# Altium PCB Copy of KaRadioWired.PcbDoc (part 2 of 3)
Units mm, origin at the board's own origin, x right, y up, seen from the top; angles counter-clockwise.
Board outline 90 x 70 mm, 4 copper layers (Top Layer, Signal Layer 1, Signal Layer 2, Bottom Layer), stack 1.49 mm thick; 271 components, 157 nets, 818 pads, 370 vias.
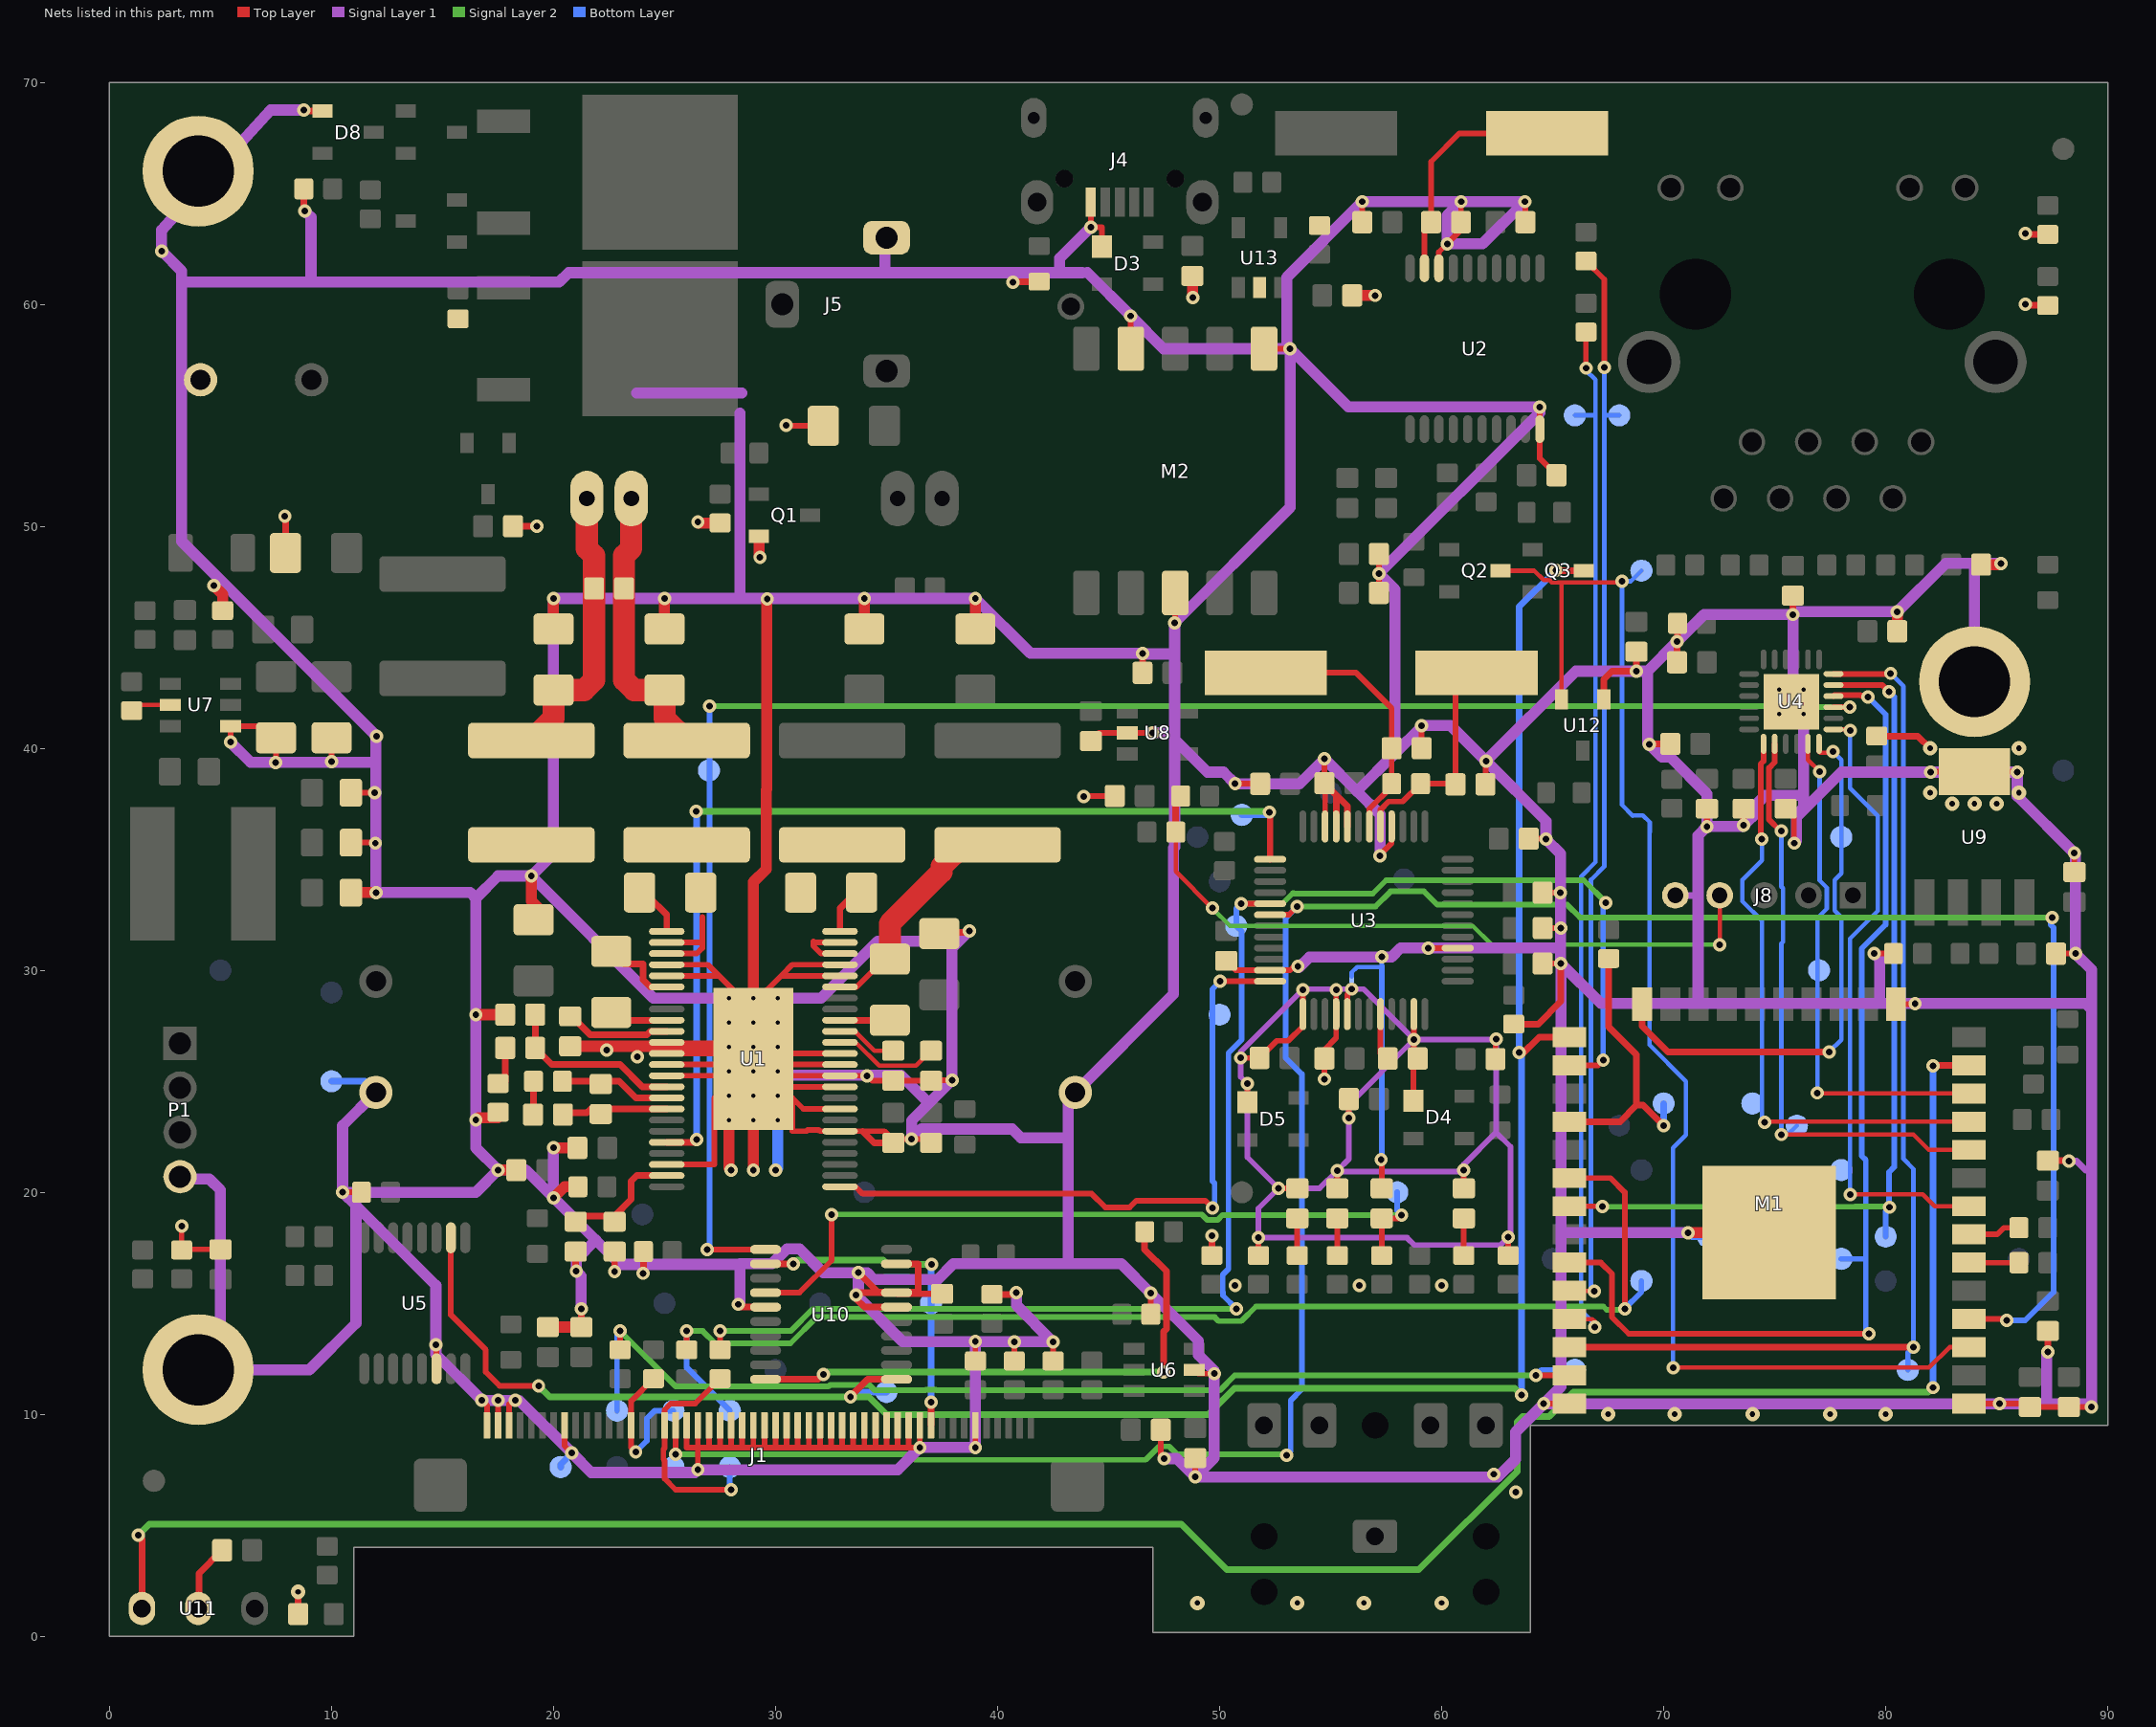
[diagram p4: the nets of this part, all layers, seen from the top]

## Part data
1: "Split Net Name 0.2mm"
C1 C2: library part "470uF 25V 10mm 12.5mm", "Aluminum Capacitor 470uF 25V TH 10mm 12.5mm", Manufacturer="United Chemi-Con", PartNumber=EKZN250ELL471MJC5S, Tolerance=20%, Voltage=25V, RefSupplier1=661-EKZN250E471MJC5S, Supplier1=Mouser
C3 C4 C5 C6 C7 C8 C32 C33 C34 C35 C65 C71 C72: Case=1206, Tolerance=10%, Voltage=50V, Supplier1=Digikey, Supplier2=Mouser, Supplier3=Farnell
  C3 C6 C7 C8: Material=X7R, RefSupplier1=478-1542-1-ND
  C4 C5 C65: Material=X5R, RefSupplier1=587-2994-1-ND
  C32 C33 C34 C35: Material=C0G, RefSupplier1=1276-2849-1-ND
  C71 C72: Material=X5R, RefSupplier1=1276-6736-1-ND
C9 C12 C17 C20 C31 C36 C40 C42 C43 C45 C46 C47 C49 C50 C51 C53 C54 C55 C57 C58 C59 C76 C80 C86: Case=0603, Tolerance=10%, Voltage=25V, Material=X5R, RefSupplier1=587-1245-1-ND, Supplier1=Digikey, Supplier2=Mouser, Supplier3=Farnell
C10 C11 C19 C22 C37 C41 C64: Case=0603, Tolerance=10%, Voltage=10V, Material=X5R, Supplier1=Digikey, Supplier2=Mouser, Supplier3=Farnell
  C10 C11 C19: RefSupplier1=1276-6684-1-ND
  C22 C37 C41 C64: RefSupplier1=1276-1085-1-ND
C13 C14 C15 C16 C21 C23 C24 C25 C26 C27 C28 C29 C38 C61 C66 C73 C81 C82 C83 C84 C85 C87 C89: Case=0603, Tolerance=10%, Voltage=50V, Supplier1=Digikey, Supplier2=Mouser, Supplier3=Farnell
  C13 C16 C61 C83 C84 C85 C87 C89: Material=X7R, RefSupplier1=490-12741-1-ND
  C14 C15 C24 C25: Material=X7R, RefSupplier1=1276-1063-1-ND
  C21 C81 C82: Material=X7R, RefSupplier1=1276-6530-1-ND
  C23 C28 C29 C38: Material=NP0, RefSupplier1=490-1415-1-ND
  C26 C27 C66: Material=NP0, RefSupplier1=490-9666-1-ND
  C73: Material=NP0, RefSupplier1=490-11301-1-ND
C18 C30 C62 C63 C74 C75 C77 C78 C90 C91: Case=0603, Tolerance=10%, Voltage=16V, Material=X7R, RefSupplier1=EMK107B7105KA-T, Supplier1=Digikey, Supplier2=Mouser, Supplier3=Farnell
C39 C44 C48 C52 C56 C60: Case=0603, Tolerance=10%, Voltage=6.3V, Material=X5R, Supplier1=Digikey, Supplier2=Mouser, Supplier3=Farnell
  C39 C44 C56: RefSupplier1=445-8028-2-ND
  C48 C52 C60: RefSupplier1=587-1256-1-ND
C67: library part "100nF 50V 0805 X5R_1", "100nF 50V 0805 X5R", Case=0805, Tolerance=10%, Voltage=50V, Material=X5R, Supplier1=Digikey, Supplier2=Mouser, Supplier3=Farnell
C68 C69 C70: Case=0805, Tolerance=10%, Voltage=10V, Material=X5R, RefSupplier1=490-10511-1-ND, Supplier1=Digikey, Supplier2=Mouser, Supplier3=Farnell
C79: library part "1800uF 25V 12.5mm 20mm", "Aluminum Capacitor 1800uF 25V TH 12.5mm 20mm", Manufacturer="United Chemi-Con", PartNumber=EGXF250ELL182MK20S, Tolerance=20%, Voltage=25V, RefSupplier1=661-EGXF250ELL182MK2, Supplier1=Mouser
C88: Case=1206, Tolerance=10%, Voltage=100V, Material=X7R, RefSupplier2=77-VJ1206Y102JXBAC, Supplier1=Digikey, Supplier2=Mouser, Supplier3=Farnell
D1: "Side Emitting LED Blue", Manufacturer=Kingbtigth, PartNumber=APA1606QBC/D
D3 D4 D5: "Ultra low capacitance double rail-to-rail ESD protection diode", Case=SOT-143-B, Manufacturer=Nexperia, PartNumber=PRTR5V0U2AX,215
D6 D7: "DIODE ZENER 12V 250MW SOT23-3", Case=SOT23, Manufacturer="ON Semi", PartNumber=BZX84C12LT1G, RefSupplier1=BZX84C12LT1GOSCT-ND, Supplier1=Digikey
D8: "DIODE ZENER 22V 250MW SOT23-3", Case=SOT23, Manufacturer="ON Semi", PartNumber=BZX84C22LT1G, RefSupplier1=BZX84C22LT1GOSTR-ND, Supplier1=Digikey
H1 H2 H3: "Fix hole 3mm screw"
J1: "Connector for 240x320 dots 2.4\" color tft lcd module", Manufacturer="Amphenol FCI", PartNumber=62684-501100ALF
J2: library part SJ1-3524NG, "SJ1-3524NG Jack 3.5mm Stereo", Manufacturer=CUI, PartNumber=SJ1-3524NG, RefSupplier1=CP1-3524NG-ND, Supplier1=Digikey
J3: "Modular Jack with Magnetics Shield LEDS  RJLBC-060TC1", Manufacturer=TAIMAG, PartNumber=RJLBC-060TC1
J4: "Micro USB 2.0 SMT Type B Horizontal", Manufacturer="Wurth Elektronik", PartNumber=629105150521
J5: library part "Barrel Connector", "CONN PWR JACK 2X5.5MM SOLDER", Manufacturer=CUI, PartNumber=PJ-102AH, RefSupplier1=CP-102AH-ND, Supplier1=Digikey
J6 J7: Manufacturer=JST, PartNumber="JST B2B-PH-K"
J8: "JST  B5B-PH 2mm Pitch 5pins TH", Manufacturer=JST, PartNumber=B5B-PH-K-S
L1 L2 L3 L4: Case=2424, Manufacturer=Murata, Rated Current=2.4A, PartNumber=1255AY-150M, Supplier1=Digikey, Supplier2=Mouser, Supplier3=Farnell
L5: "SRN6045-100M 10uH 2.5A 6x6x4,5mm", Case=6045, Manufacturer=Bourns, Rated Current=2.5A, PartNumber=SRN6045-100M, Supplier1=Digikey, Supplier2=Mouser, Supplier3=Farnell
L6: "0805, 600 Ohm@100MHz, 2.1A", Manufacturer=Wurth, PartNumber=74279220601, RefSupplier1=732-6126-1-ND, Size=0805, Supplier1=Digikey
L7: "1255AY-4R7M=P3 4.7uH 4A", Case=2424, Manufacturer=Murata, PartNumber=1255AY-4R7M=P3, Rated Current=4A, Supplier1=Digikey, Supplier2=Mouser, Supplier3=Farnell
L8 L9 L10 L11 L12 L13 L14 L15 L16 L17 L18 L19: library part CMP-0220-00178-1, "SMD EMI Suppression Ferrite Bead WE-CBF, Z = 1000 Ohm", Manufacturer=Wurth, ComponentLink1Description="Manufacturer Link", ComponentLink1URL=http://www.we-online.com, ComponentLink2Description=Datasheet, ComponentLink2URL=http://www.we-online.de/katalog/media/pdf/742792662.pdf, DatasheetVersion="ver 1, Mar-2010", Impedance="1000 Ohm", PackageDescription="Chip Inductor, 2-Leads, Body 1.6 x 0.8 mm", PackageReference=SMD-0603, PackageVersion=2009
  L8 L10 L11 L12 L13 L14 L15 L16 L17 L19: PartNumber=742792662
  L9 L18: RefManufacturer=742792662
M1: Manufacturer="Espressif Systems", PartNumber=ESP32_WROOM_32
M2: "FM Receiver 11x11mm TEA5767", PartNumber=MODULE_TEA5767
P1: library part CMP-2000-05165-1, "Male Header, Pitch 2 mm, 1 x 4 Position", Manufacturer=JST, Datasheet URL=http://datasheet.octopart.com/B4B-PH-K-S%28LF%29%28SN%29-JST-datasheet-10558886.pdf, Datasheet Version=Apr-09, Manufacturer URL=http://www.jst.com/home2.html, No of Positions=4, PartNumber=B4B-PH-K-S(LF)(SN), Pitch=2mm, Style/Orientation=StraightHeader/Plug, Termination=Crimp, Type=ShroudedHeader
P2: "0.8mm Hole"
Q1 Q2 Q3: library part BC817_SOT23, "BC817 NPN  45V SOT23", Case=SOT23, Manufacturer=Nexperia, PartNumber=BC817-40,215, RefSupplier1=1727-2919-1-ND, Supplier1=Digikey
Q4 Q5: "MOSFET P-CHANNEL 60V 7A TO252", Manufacturer="Taiwan Semiconductor Corp", PartNumber=TSM7P06CP, RefSupplier1="TSM7P06CP ROGCT-ND", Supplier1=Digikey
Q6: "MOSFET P-CH 60V 170MA SOT-23", Manufacturer=Infineon, PartNumber=BSS84PH6433XTMA1, RefSupplier1=BSS84PH6433XTMA1TR-ND, Supplier1=Digikey
R1 R2 R63 R64: library part 470R, "Resistor 470R 0603 1%", Case=0603, Tolerance=1%, RefSupplier1=311-470HRCT-ND, Size="0603, 1.6x0.8x0.8mm", Supplier1=Digikey
R3 R41: library part 18k, "Resistor 18k 0603 1%", Case=0603, Tolerance=1%, RefSupplier1=311-18.0KHRCT-ND, Size="0603, 1.6x0.8x0.8mm", Supplier1=Digikey
R4 R12 R39 R55 R57: library part 100k, "Resistor 100k 0603 1%", Case=0603, Tolerance=1%, RefSupplier1=311-100KHRCT-ND, Supplier1=Digikey
R5 R9 R10 R23 R26 R27 R33 R35 R36 R43 R44 R45 R46 R50 R51 R52 R56 R58 R59 R60 R61 R62 R65: library part 10k, "Resistor 10k 0603 1%", Case=0603, Tolerance=1%, RefSupplier1=311-10.0KHRCT-ND, Size="0603, 1.6x0.8x0.8mm", Supplier1=Digikey
R6 R31: library part 10R, "Resistor 10R 0603 1%", Case=0603, Tolerance=1%, RefSupplier1=311-10.0HRCT-ND, Size="0603, 1.6x0.8x0.8mm", Supplier1=Digikey
R7 R8: library part 20R, "Resistor 20R 0603 1%", Case=0603, Tolerance=1%, RefSupplier1=311-20.0HRCT-ND, Size="0603, 1.6x0.8x0.8mm", Supplier1=Digikey
R11: library part 1M, "Resistor 1M 0603 1%", Case=0603, Tolerance=1%, RefSupplier1=311-1.00MHRCT-ND, Size="0603, 1.6x0.8x0.8mm", Supplier1=Digikey, Supplier2=Mouser, Supplier3=Farnell
R13 R14 R15 R16: library part 49R9, "Resistor 49R9 0603 1%", Case=0603, Tolerance=1%, RefSupplier1=311-49.9HRCT-ND, Size="0603, 1.6x0.8x0.8mm", Supplier1=Digikey
R17 R42: library part 12k1, "Resistor 12k1 0603 1%", Case=0603, Tolerance=1%, RefSupplier1=311-12.1KHRCT-ND, Size="0603, 1.6x0.8x0.8mm", Supplier1=Digikey
R18 R19 R20 R21 R24 R25 R28 R29 R30 R32: library part 68R, "Resistor 68R 0603 1%", Case=0603, Tolerance=1%, RefSupplier1=311-68.0HRCT-ND, Size="0603, 1.6x0.8x0.8mm", Supplier1=Digikey
R22: library part 11k, "Resistor 11k 0603 1%", Case=0603, Tolerance=1%, RefSupplier1=311-11KGRCT-ND, Size="0603, 1.6x0.8x0.8mm", Supplier1=Digikey
R34 R47 R48 R49 R53: library part 1k, "Resistor 1k 0603 1%", Case=0603, Tolerance=1%, RefSupplier1=311-1.00KHRCT-ND, Size="0603, 1.6x0.8x0.8mm", Supplier1=Digikey, Supplier2=Mouser, Supplier3=Farnell
R37 R38: library part 4k7, "Resistor 4k7 0603 1%", Case=0603, Tolerance=1%, RefSupplier1=311-4.70KHRCT-ND, Size="0603, 1.6x0.8x0.8mm", Supplier1=Digikey
R40: library part 17k8, "Resistor 17k8 0603 1%", Case=0603, Tolerance=1%, RefSupplier1=311-17.8KHRTR-ND, Supplier1=Digikey
R54: "Resistor 0.25R 1206 1%", Case=1206, Tolerance=1%, RefSupplier2=603-PT1206FR-070R25L, Size="1206, 3.2x1.6x0.8mm", Supplier1=Digikey, Supplier2=Mouser, Supplier3=Farnell
TP1 TP2 TP3 TP4 TP5 TP6 TP7 TP8 TP9 TP10 TP11 TP12 TP13 TP14 TP15 TP16 TP17 TP18 TP19 TP20 TP21 TP22 TP23 TP24 TP25 TP26 TP27 TP28 TP29 TP30 TP31 TP32 TP33 TP34 TP35 TP36 TP37 TP38 TP39 TP40 TP41 TP42 TP43 TP44 TP45 TP46 TP47 TP48: "Test point 1mm round SMD"
U1: "TAS5751M - Digital Input Audio Power Amplifier with EQ and 3-Band AGL", Case=TSSOP48, Manufacturer=TI, PartNumber=TAS5751M
U2: "CH340T USB to Serial", Case=TSOP20, Manufacturer=WCH, PartNumber=CH340T
U3: "VS1053 DSP", Case=TQFP48, Manufacturer=VLSI, PartNumber=VS1053b
U4: "LAN8720 RMII 10/100 Ethernet  Transceiver QFN24", Case=QFN24, Manufacturer=Microchip, PartNumber=LAN8720A-CP-ABC, RefSupplier1=LAN8720A-CP-ABC-ND, Supplier1=Digikey
U5: "TSSOP I2C Resistive Touch Controller", Case=TSOP16, Manufacturer=TI, PartNumber=TSC2007IPWR
U6: "TPS730 ADJ 200mA SOT23-6 LDO", Case=SOT23-6, Manufacturer=TI, PartNumber=TPS73001DBV
U7: "4.5V to 28V Input, 2A Output Sync Buck", Case=SOT23-6, Manufacturer=TI, PartNumber=TPS54202DDC
U8: "1.8V LDO 50mA SOT23-5", Case=SOT23-5, Manufacturer=Microchip, PartNumber=TC1014-1.8VCT713
U9: library part LP38692MP-ADJ/NOPB, "REG LIN POS ADJ 1A SOT223-5 LP38692MP-ADJ/NOPB", Case=SOT223-5, Manufacturer=TI, PartNumber=LP38692MP-ADJ/NOPB
U10: "PCF8574TS/3 SSOP20 I2C I/O Expander", Case=SSOP20, Manufacturer=NXP, PartNumber=PCF8574TS/3
U11: "TSOP33436 IR 36kHz Receiver", Manufacturer=Vishay, PartNumber=TSOP33436
U12: "Reset 2.93V open drain sot23 MIC803-29D3VM3-TR", Case=SOT23, Manufacturer=Microchip, PartNumber=MIC803-29D3VM3-TR
U13: "SOT23-5 USB VCC Switch with current Limit", Case=SOT23-5, Manufacturer=Silergy, PartNumber=SY6280A
Y1: "12.2880MHz Crystal HC49 SMT 50ppm", Case=HC49S, Manufacturer="Fox Electronic", PartNumber=FOXSDLF/128-20, Tolerance=50ppm
Y2: library part "HC49SDLF 12.000MHz", "12.0000MHz Crystal HC49 SMT 20ppm", Case=HC49S, Manufacturer=Diodes, PartNumber=GC1200052, Tolerance=20ppm, RefSupplier1=GC1200052CT-ND, Supplier1=Digikey
Z1 Z2 Z3 Z4: "1mm Fiducial"

## Via types
v1: diameter 0.6, hole 0.3, Top Layer to Bottom Layer, tented top, 185 vias
v2: diameter 0.6, hole 0.3, Top Layer to Bottom Layer, tented both sides, 142 vias
v3: diameter 0.5, hole 0.2, Top Layer to Bottom Layer, tented top, 22 vias
v4: diameter 0.65, hole 0.25, Top Layer to Bottom Layer, tented both sides, 21 vias

## Nets (pads, with @x,y where several pads share a name; then routed paths per layer and width w, separated by ;. In a path a pad name is that pad's centre, name@x,y a point inside that pad or via, vN(x,y) a via of type N, cw(c..) or ccw(c..) an arc to the next point about the centre after c; other vN are vias at no path point)
AGND: 1.2 C25.1 C26.1 C27.1 C30.1 C48.1 C49.1 C50.1 C51.1 D4.1 D5.1 R9.2 R10.2 U3.37 U3.40 U3.41 U3.47 | length 83.3
  Top Layer w0.25: U3.40@55.25,28.025 v1(55.25,29.125)
  Top Layer w0.254: v1(50.95,26.05) C49.1@51.8,26.05 52.575,26.825 53.1,26.825 53.75,27.475 U3.37@53.75,28.025 v1(53.75,29.125) ; D5.1@51.25,24.05 v1(51.25,24.9) ; R10.2@51.75,17.15 v1(51.75,17.95) ; v1(52.65,20.175) C26.1@53.5,20.175 ; v1(54.725,25.1) C50.1@54.725,26.025 54.725,26.425 55.25,26.95 U3.40@55.25,28.025 ; C25.1@55.3,20.175 v1(55.3,20.975) ; U3.41@55.75,28.025 55.75,28.9 55.975,29.125 56,29.125 55.972,29.153 v1(55.955,29.153) ; v1(55.825,23.35) C51.1@55.825,24.2 ; C30.1@58.65,26.2 58.75,26.3 v1(58.75,26.875) U3.47@58.75,28.025 ; D4.1@58.725,24.125 58.725,25.825 C30.1@58.925,26.025 ; C27.1@61,20.175 v1(61,21) ; C48.1@62.425,26 62.425,26.875 v1(62.45,26.9) ; R9.2@63,17.15 v1(63,17.975)
  Signal Layer 1 w0.254: v1(52.65,20.175) 51.25,21.575 v1(51.25,24.9) 50.95,25.2 v1(50.95,26.05) 50.95,26.325 v1(53.75,29.125) 53.778,29.153 v1(55.955,29.153) 56.486,29.153 58.75,26.889 v1(58.75,26.875) ; v1(52.65,20.175) 51.75,19.275 v1(51.75,17.95) 58.444,17.95 58.771,17.623 62.648,17.623 v1(63,17.975) 63.102,18.077 63.102,22.048 62.45,22.7 ; v1(52.65,20.175) 54.5,20.175 v1(55.3,20.975) ; v1(55.3,20.975) 55.352,20.923 60.923,20.923 v1(61,21) 61,21.25 62.45,22.7 ; v1(55.3,20.975) 55.825,21.5 v1(55.825,23.35) 55.825,23.95 v1(58.75,26.875) ; v1(58.75,26.875) 62.425,26.875 v1(62.45,26.9) 62.45,22.7
  other v1: 50.7,15.8 56.3,15.8 60,15.8
Audio_Jack_Det: C24.2 R5.1 TP19.1 U10.14 | length 35.3
  Top Layer w0.254: U10.14@29.55,15.475 31.075,15.475 32.525,16.925 v2(32.525,19) ; R5.1@57.3,17.15 C24.2@57.3,18.825 58.05,18.825 v1(58.2,18.975)
  Signal Layer 2 w0.254: v2(32.525,19) 49.194,19 49.446,18.748 49.904,18.748 50.131,18.975 v1(58.2,18.975)
  Bottom Layer w0.254: TP19.1@58,20 58,19.175 v1(58.2,18.975)
EN_PW: R43.1 U7.5 | length 1.9
  Top Layer w0.2: R43.1@1,41.7 1.25,41.95 U7.5@2.75,41.95
ENC_A: M1.6 R47.1 | length 2.3
  Top Layer w0.254: M1.6@83.75,16.83 83.755,16.825 R47.1@86,16.825
ENC_B: M1.7 R48.1 | length 2.4
  Top Layer w0.254: M1.7@83.75,18.1 85.025,18.1 85.325,18.4 R48.1@86,18.4
Enc_BTN: R49.1 U10.20 | length 24.8
  Top Layer w0.3: U10.20@29.55,11.575 31.925,11.575 v2(32.15,11.8) ; R49.1@46.625,18.225 46.625,17.425 47.6,16.45 47.6,13.848 47.475,13.723 v2(47.475,11.9)
  Signal Layer 2 w0.3: v2(32.15,11.8) 32.25,11.9 v2(47.475,11.9)
ESP32_EN: M1.3 Q2.3 TP40.1 U12.2 | length 62.9
  Top Layer w0.2: Q2.3@62.65,48 64.175,48 64.6,47.575 64.858,47.575 64.958,47.475 65.4,47.475 ; U12.2@65.4,42.2 65.4,47.475 ; v2(68.125,47.525) 68.075,47.475 65.4,47.475 ; v2(70.425,12.1) 81.95,12.1 82.87,13.02 M1.3@83.75,13.02
  Bottom Layer w0.2: TP40.1@69,48 68.525,47.525 v2(68.125,47.525) 68.125,37.45 68.616,36.959 68.633,36.975 69.067,36.975 69.375,36.667 69.375,36.233 69.359,36.216 69.359,26.641 71,25 71,22.575 70.425,22 v2(70.425,12.1)
ESP32_IO0: M1.25 Q3.3 TP16.1 U5.10 U10.1 | length 100.9
  Top Layer w0.254: U5.10@15.375,17.95 15.375,14.475 16.95,12.9 16.95,11.9 17.575,11.275 v2(19.325,11.275)
  Top Layer w0.3: v2(33.375,10.775) 33.375,10.8 34.15,11.575 U10.1@35.45,11.575 ; v1(63.5,26.3) 63.6,26.2 64.39,26.99 M1.25@65.75,26.99 M1.25@65.635,26.875 ; v2(65.15,48.025) 65.175,48 Q3.3@66.4,48
  Signal Layer 2 w0.3: v2(19.325,11.275) 19.825,10.775 v2(33.375,10.775) 34.2,10.775 35,9.975 49.475,9.975 50.675,11.175 63.3,11.175 v2(63.6,10.875)
  Bottom Layer w0.3: v2(33.375,10.775) 33.6,11 TP16.1@35,11 ; v2@63.625,10.9 v2(63.6,10.875) 63.6,26.2 v1(63.5,26.3) 63.5,46.375 v2(65.15,48.025)
ESP32_RXD: M1.34 R24.2 TP41.1 | length 49
  Top Layer w0.2: M1.34@65.75,15.56 66.865,15.56 v2(66.875,15.55)
  Top Layer w0.254: R24.2@66.5,61.95 67.325,61.125 v2(67.325,57.15)
  Bottom Layer w0.2: v2(66.875,15.55) 66.875,15.5 66.725,15.65 66.725,34.075 67.325,34.675 67.325,55 ; v2(67.325,57.15) 67.325,55 ; TP41.1@68,55 67.325,55
ESP32_TXD: M1.35 R25.2 TP42.1 | length 47.9
  Top Layer w0.2: M1.35@65.75,14.29 66.785,14.29 66.9,14.175 v2(66.9,13.925)
  Top Layer w0.254: v2(66.5,57.125) R25.2@66.5,58.75
  Bottom Layer w0.2: TP42.1@66,55 66.925,55 ; v2(66.5,57.125) 66.5,57.025 66.925,56.6 66.925,55 ; v2(66.9,13.925) 66.9,14.05 66.275,14.675 66.275,34.225 66.925,34.875 66.925,55
Eth_CLK: M1.28 R31.1 TP34.1 | length 13.1
  Top Layer w0.3: M1.28@65.75,23.18 68.03,23.18 68.775,23.925 ; R31.1@67.525,30.525 67.525,27.45 68.775,26.2 68.775,23.925 ; v1(70,23) 69.075,23.925 68.775,23.925
  Bottom Layer w0.3: v1(70,23) TP34.1@70,24
Eth_CRS_DV: M1.12 TP30.1 U4.11 | length 23.1
  Top Layer w0.2: U4.11@76.5,40.2 76.5,39.475 v2(77.025,38.95) ; v2(76.925,24.475) 76.95,24.45 M1.12@83.75,24.45
  Bottom Layer w0.2: v2(76.925,24.475) 76.931,24.481 76.931,26.101 76.925,26.108 76.925,32.35 77.35,32.775 77.35,33.717 77.025,34.042 v2(77.025,38.95)
Eth_MDC: M1.8 TP32.1 U4.13 | length 28.3
  Top Layer w0.2: U4.13@77.65,40.85 78.35,40.85 v2(78.4,40.8) ; v2(78.4,19.9) 81.675,19.9 82.205,19.37 M1.8@83.75,19.37
  Bottom Layer w0.2: v2(78.4,19.9) 78.4,31.425 79.65,32.675 79.65,36.95 78.4,38.2 v2(78.4,40.8)
Eth_MDIO: M1.24 TP31.1 U4.12 | length 25.1
  Top Layer w0.2: U4.12@77,40.2 77,39.85 77.05,39.8 77.575,39.8 v2(77.625,39.85)